# Altium PCB orbital-r1.PcbDoc (part 1 of 3) (continued)
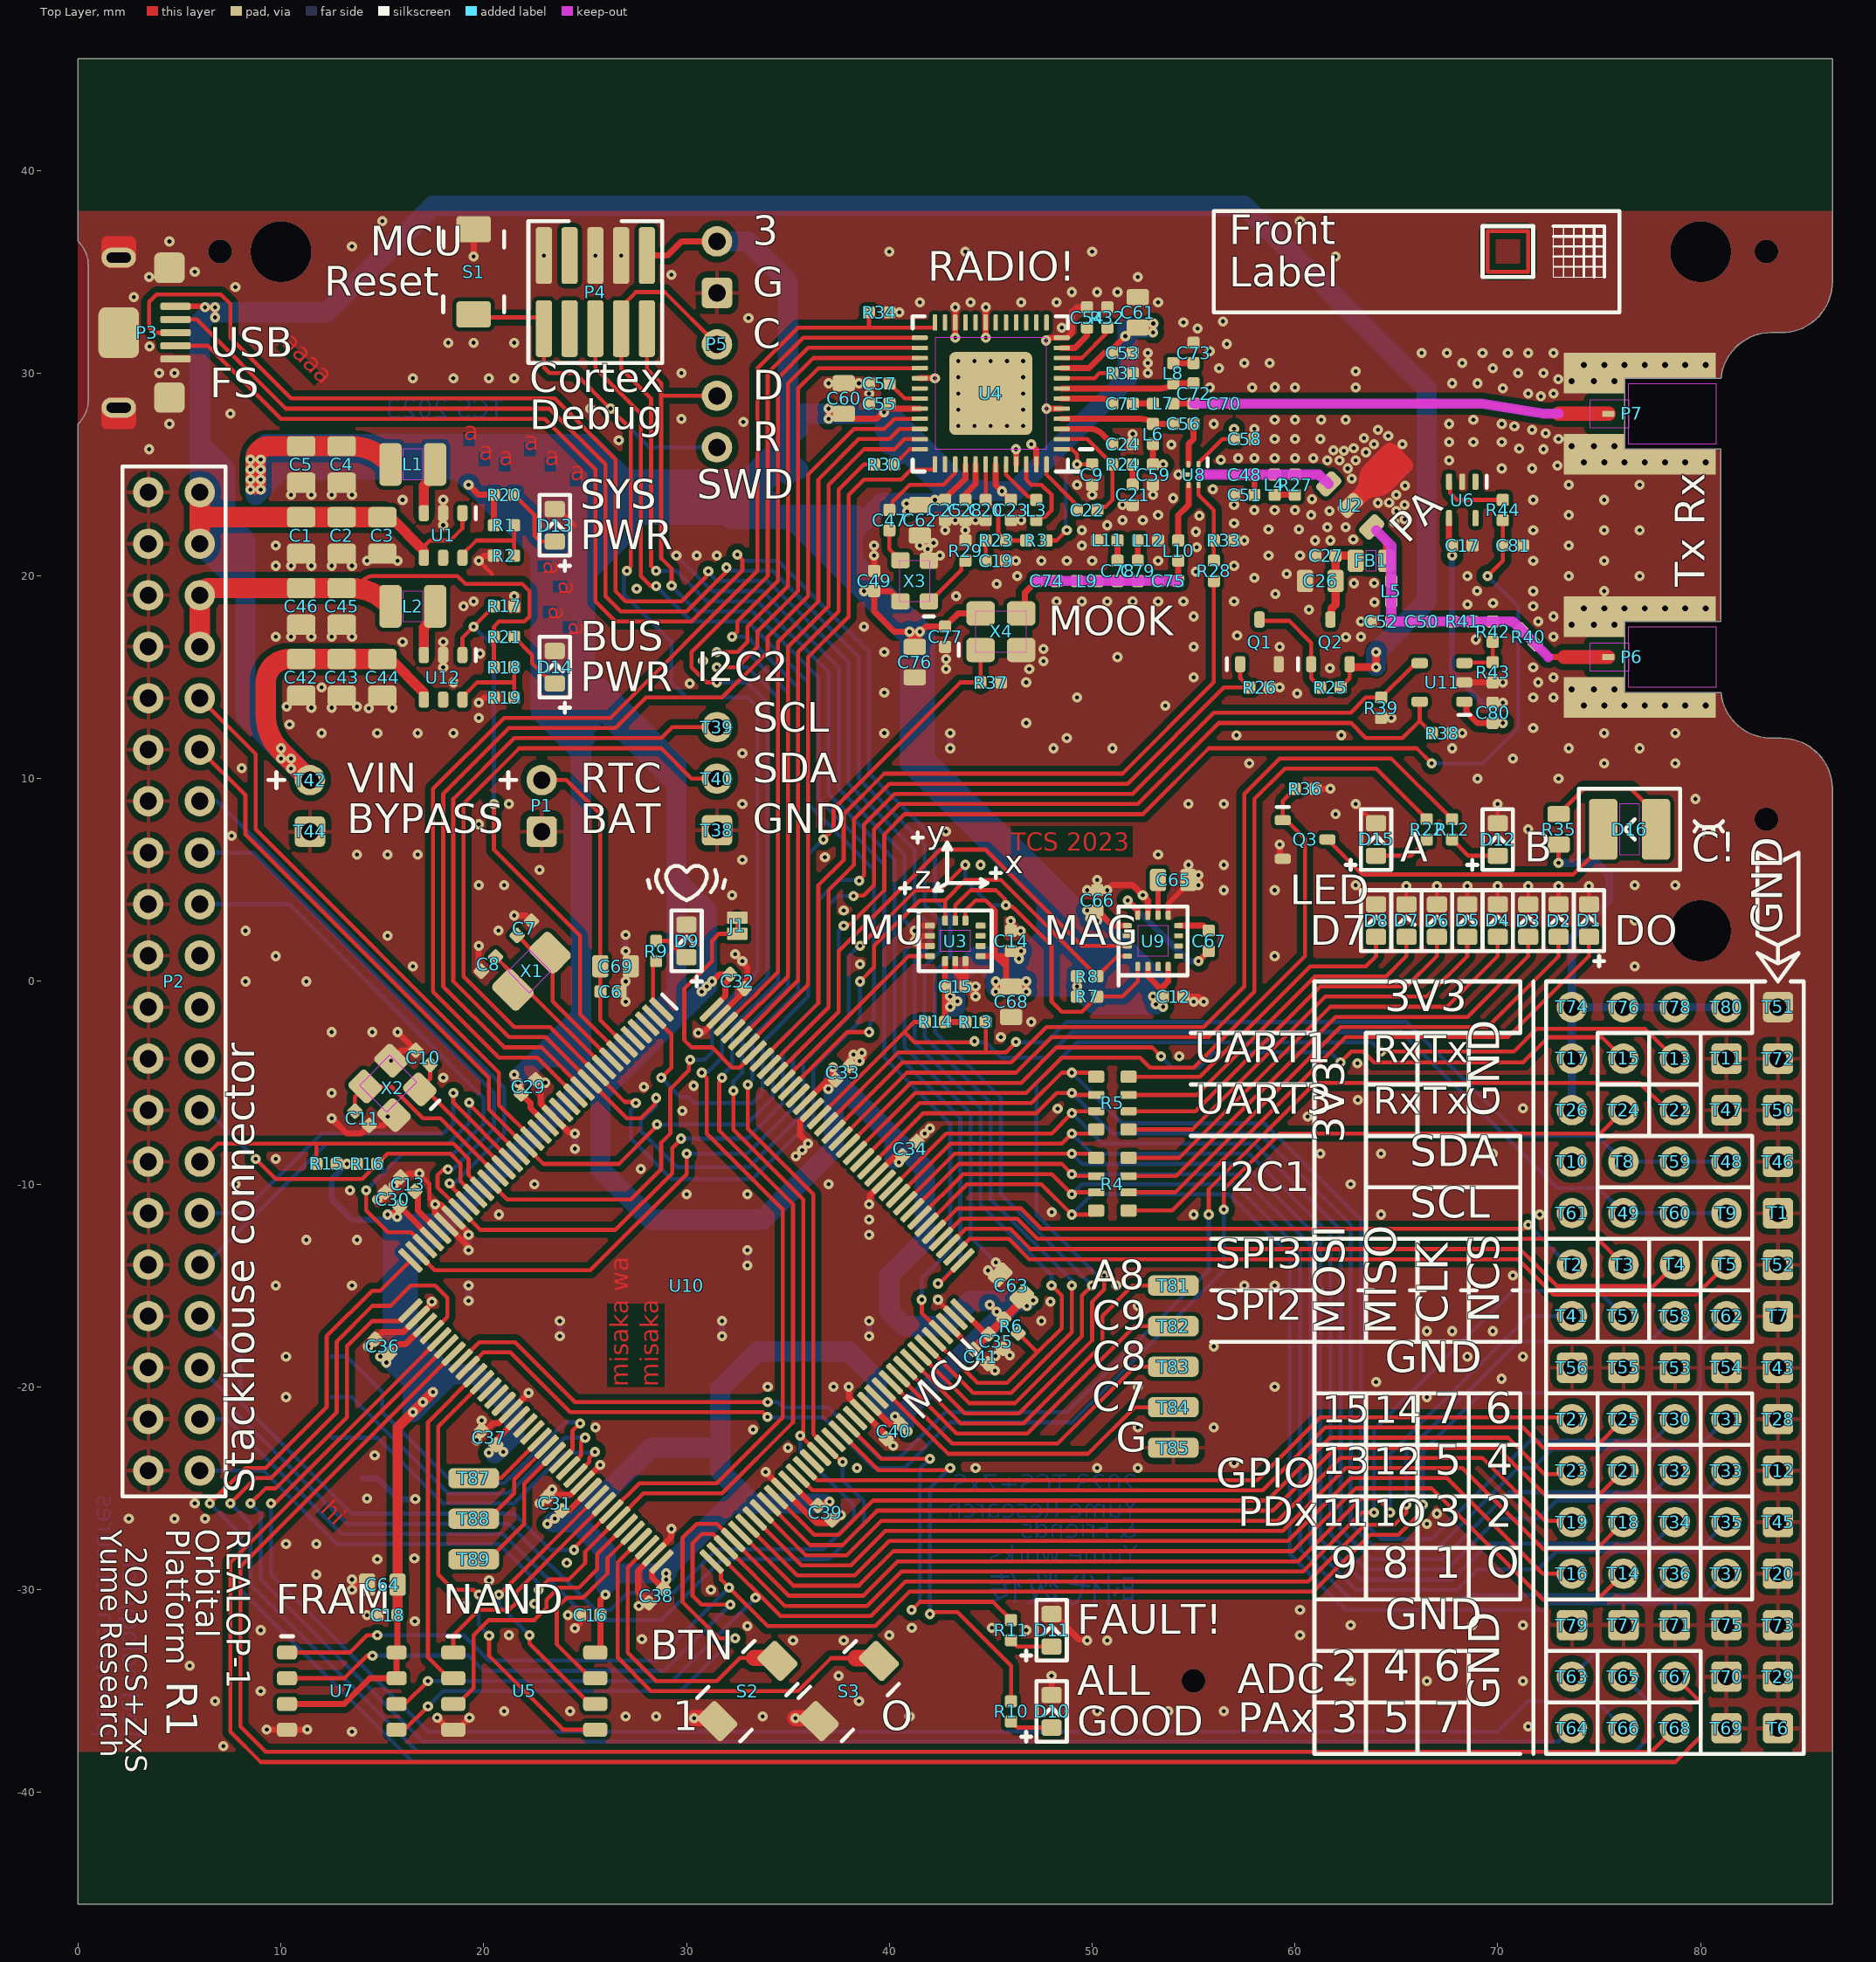
[diagram p0: Top Layer view]
## Design rules (kind name [scope] priority, off if disabled: settings)
Clearance [All] p1: gap=0.2 ignorepadtopadclearanceinfootprint=TRUE except(0: Fill-Text Poly-Text Region-Text; 0.3: Arc-Fill Arc-Poly Arc-Region Track-Fill Track-Poly Track-Region THPad-Fill THPad-Poly THPad-Region Via-Fill Via-Poly Via-Region Fill-Fill Fill-Poly Fill-Region Poly-Poly Poly-Region Region-Region)
DiffPairsRouting [All] p1: maxlimit=500 minlimit=0.1 mostfreqgap=0.15 toplayer_minwidth=0.1 toplayer_maxwidth=500 toplayer_prefwidth=0.15 midlayer1_minwidth=0.1 midlayer1_maxwidth=500 midlayer1_prefwidth=0.15 midlayer2_minwidth=0.1 midlayer2_maxwidth=500 midlayer2_prefwidth=0.15 bottomlayer_minwidth=0.1 bottomlayer_maxwidth=500 bottomlayer_prefwidth=0.15 maxuncoupledlength=500
HoleSize [All] p1: absolutevalues=TRUE maxlimit=500 minlimit=0.2 maxpercent=80.000 minpercent=20.000
HoleToHoleClearance [All] p1: gap=0.5 allowstackedmicrovias=TRUE
MinimumSolderMaskSliver [All] p1 off: minsoldermaskwidth=0.1
NetAntennae [All] p1 off: netantennaetolerance=0
PlaneClearance [All] p1: clearance=0.3
PlaneConnect [All] p1: planeconnectstyle=Relief reliefexpansion=0.3 reliefentries=4 reliefconductorwidth=0.2 reliefairgap=0.2
PolygonConnect [All] p1: connectstyle=Direct reliefconductorwidth=0.254 reliefentries=4 polygonreliefangle="90 Angle" airgapwidth=0.254
RoutingCorners [All] p1: cornerstyle=45-Degree minsetback=2.5 maxsetback=2.5
RoutingVias [All] p1: holewidth=0.3 width=0.7 viastyle="Through Hole" minholewidth=0.2 minwidth=0.5 maxholewidth=500 maxwidth=500
SilkToSilkClearance [All] p1 off: silktosilkclearance=0.2
SilkToSolderMaskClearance [IsPad] p1: minsilkscreentomaskgap=0.1 clearancetoexposedcopper=TRUE
SolderMaskExpansion [All] p1: expansion=0.1 istentingtop=FALSE
Width [All] p1: maxlimit=500 minlimit=0.1 preferedwidth=0.15
20 further rules are at their usual default settings.

## Components (designator, comment, footprint, x,y, rotation, side; value= is the part's Value field where it differs from the comment)
C1 "22u" C0805 11,22 r90 top
C2 "22u" C0805 13,22 r90 top
C3 "22u" C0805 15,22 r90 top
C4 "22u" C0805 13,25.5 r90 top
C5 "22u" C0805 11,25.5 r90 top
C6 "1u" C0402#1 26.25,-0.5 r180 top
C7 "12.5p" C0402#1 22,2.621 r225 top
C8 "12.5p" C0402#1 20.232,0.854 r45 top
C9 "2.2n" C0402#2 50,25 r270 top
C10 "9p" C0402#1 17,-3.75 r315 top
C11 "9p" C0402#1 14,-6.75 r135 top
C12 "1u" C0402#1 54,-0.75 r180 top
C13 "1u" C0402#2 16.25,-10 r135 top
C14 "1u" C0402#1 46,2 r270 top
C15 "1u" C0402#1 43.25,-0.25 r180 top
C16 "1u" C0402#2 25.25,-31.25 r180 top
C17 "1u" C0402#1 68.25,21.5 r180 top
C18 "1u" C0402#2 15.25,-31.25 r180 top
C19 "100n" C0402#2 45.25,20.75 r0 top
C20 "6.8n" C0402#2 44.75,23.25 r270 top
C21 "100n" C0402#2 52,24 r270 top
C22 "22n" C0402#3 49.75,23.25 r0 top
C23 "1u" C0402#1 46,23.25 r90 top
C24 "1u" C0402#2 51.5,26.5 r0 top
C25 "1u" C0402#1 42.75,23.25 r90 top
C26 "10u" C0603#1 61.25,19.75 r0 top
C27 "1u" C0402#1 61.5,21 r0 top
C28 "100n" C0402#1 43.75,23.25 r90 top
C29 "1u" C0402#1 22.2,-5.2 r225 top
C30 "1u" C0402#1 15.5,-10.75 r315 top
C31 "1u" C0402#1 23.5,-25.75 r315 top
C32 "1u" C0402#1 32.5,0 r135 top
C33 "1u" C0402#1 37.7,-4.5 r225 top
C34 "1u" C0402#1 41,-8.25 r225 top
C35 "1u" C0402#1 45.25,-17.75 r135 top
C36 "1u" C0402#1 15,-18 r315 top
C37 "1u" C0402#1 20.25,-22.5 r315 top
C38 "1u" C0402#1 28.5,-30.3 r45 top
C39 "1u" C0402#1 36.824,-26.205 r135 top
C40 "1u" C0402#1 40.2,-22.2 r45 top
C41 "1u" C0402#1 44.5,-18.5 r135 top
C42 "22u" C0805 11,15 r90 top
C43 "22u" C0805 13,15 r90 top
C44 "22u" C0805 15,15 r90 top
C45 "22u" C0805 13,18.5 r90 top
C46 "22u" C0805 11,18.5 r90 top
C47 "22p" C0402#3 40,22.75 r270 top
C48 "1n" C0402#3 57.5,25 r0 top
C49 "1u" C0402#1 39.25,19.75 r270 top
C50 "1n" C0402#3 66.25,17.75 r0 top
C51 "22p" C0402#2 57.5,24 r180 top
C52 "10p" C0402#2 64.25,17.75 r180 top
C53 "1u" C0402#1 51.5,31 r180 top
C54 "100n" C0402#1 49.75,32.75 r270 top
C55 "1u" C0402#1 39.5,28.5 r0 top
C56 "3.3p" C0402#3 54.5,27.5 r0 top
C57 "100n" C0402#1 39.5,29.5 r0 top
C58 "1u" C0402#1 57.5,26.75 r180 top
C59 "1n" C0402#2 53,25 r270 top
C60 "10u" C0603#1 37.75,28.75 r270 top
C61 "10u" C0603#1 52.25,33 r270 top
C62 "10u" C0603#1 41.5,22.75 r90 top
C63 "10u" C0603#1 46,-15 r315 top
C64 "10u" C0603#1 15,-29.75 r0 top
C65 "10u" C0603#2 54,5 r0 top
C66 "1u" C0402#1 50.25,4 r270 top
C67 "220n" C0402#3 55.75,2 r90 top
C68 "10u" C0603#1 46,-1 r90 top
C69 "10u" C0603#1 26.5,0.75 r180 top
C70 "1n" C0402#3 56.5,28.5 r180 top
C71 "3.3p" C0402#3 51.5,28.5 r180 top
C72 "3.3p" C0402#3 55,29 r90 top
C73 "1n" C0402#1 55,31 r270 top
C74 "2.7p" C0402#3 47.75,19.75 r180 top
C75 "2.7p" C0402#3 53.75,19.75 r180 top
C76 "10u" C0603#1 41.25,15.75 r90 top
C77 "1u" C0402#1 42.75,17 r90 top
C78 "15p" C0402#3 51.25,20.25 r90 top
C79 "100p" C0402#3 52.25,20.25 r90 top
C80 "1u" C0402#1 69.75,13.25 r270 top
C81 "100p" C0402#2 70.75,21.5 r0 top
D1 "LED White" LED0603v2 74.5,3 r270 top
D2 "LED White" LED0603v2 73,3 r270 top
D3 "LED White" LED0603v2 71.5,3 r270 top
D4 "LED White" LED0603v2 70,3 r270 top
D5 "LED White" LED0603v2 68.5,3 r270 top
D6 "LED White" LED0603v2 67,3 r270 top
D7 "LED White" LED0603v2 65.5,3 r270 top
D8 "LED White" LED0603v2 64,3 r270 top
D9 "LED Yellow" LED0603v2 30,2 r270 top
D10 "LED Green" LED0603v2 48,-36 r270 top
D11 "LED Red" LED0603v2 48,-32 r270 top
D12 "LED Blue" LED0603v2 70,7 r270 top
D13 "LED Yellow" LED0603v2 23.5,22.5 r270 top
D14 "LED Yellow" LED0603v2 23.5,15.5 r270 top
D15 "LED Blue" LED0603v2 64,7 r270 top
D16 "D VLMx333" PLCC2 76.5,7.5 r0 top
FB1 "FB0603" C0603#3 63.75,20.75 r180 top
J1 "J-16M" J16M 32.5,2.75 r90 top net-tie
L1 "2.2u" C1008 16.5,25.5 r0 top
L2 "2.2u" C1008 16.5,18.5 r0 top
L3 "18n" C0402#3 47.25,23.25 r270 top
L4 "6.8nH" C0402#3 59,24.5 r90 top
L5 "10n" C0402#3 64.75,19.25 r90 top
L6 "56n" C0402#3 53,27 r270 top
L7 "39n" C0402#3 53.5,28.5 r0 top
L8 "39n" C0402#3 54,30 r270 top
L9 "56n" C0402#3 49.75,19.75 r0 top
L10 "56n" C0402#3 54.25,21.25 r90 top
L11 "1.8n" C0402#1 50.75,21.75 r0 top
L12 "10n" C0402#1 52.75,21.75 r180 top
P1 "H254-021-85" H254-021-85 22.86,8.66 r270 top
P2 "H254-202-85" H254-202-85 4.73,0 r270 top
P3 "P Micro USB B" USB-Micro-B 2,32 r180 top
P4 "H127-052-S" H127-052-S 25.5,34 r270 top
P5 "H254-051-85" H254-051-85 31.5,31.42 r270 top
P6 "P MMCX-EM" MMCX-EM 76.25,16 r180 top
P7 "P MMCX-EM" MMCX-EM 76.25,28 r180 top
Q1 "Q NCE3400" SOT23-3#1 58.25,16.75 r90 top
Q2 "Q Si2301" SOT23-3#2 61.75,16.75 r90 top
Q3 "Q NCE3400" SOT23-3#1 60.5,7 r0 top
R1 "100k" C0402#3 21,22.5 r180 top
R2 "22k" C0402#2 21,21 r180 top
R3 "1k" C0402#3 47.25,21.75 r180 top
R4 "10k" R0603x4 51,-10 r90 top
R5 "10k" R0603x4 51,-6 r90 top
R6 "1.5k" C0402#3 46,-17 r315 top
R7 "4.7k" C0402#3 49.75,-0.75 r0 top
R8 "4.7k" C0402#3 49.75,0.25 r0 top
R9 "10k" C0402#3 28.5,1.5 r90 top
R10 "10k" C0402#3 46,-36 r270 top
R11 "10k" C0402#3 46,-32 r270 top
R12 "10k" C0402#3 67.75,7.5 r270 top
R13 "4.7k" C0402#3 44.25,-2 r0 top
R14 "4.7k" C0402#3 42.25,-2 r180 top
R15 "4.7k" C0402#3 12.25,-9 r180 top
R16 "4.7k" C0402#3 14.25,-9 r0 top
R17 "10k" C0402#2 21,18.5 r0 top
R18 "100k" C0402#3 21,15.5 r180 top
R19 "22k" C0402#2 21,14 r180 top
R20 "10k" C0402#3 21,24 r0 top
R21 "10k" C0402#3 21,17 r0 top
R22 "10k" C0402#3 66.5,7.5 r270 top
R23 "390" C0402#3 45.25,21.75 r0 top
R24 "10" C0402#3 51.5,25.5 r180 top
R25 "10k" C0402#3 61.75,14.5 r180 top
R26 "4.7k" C0402#2 58.25,14.5 r0 top
R27 "2.7" C0402#3 60,24.5 r270 top
R28 "4.7k" C0402#3 56,20.25 r90 top
R29 "1k" C0402#2 43.75,21.25 r90 top
R30 "1k" C0402#3 39.75,25.5 r180 top
R31 "1k" C0402#2 51.5,30 r0 top
R32 "3.3k" C0402#2 50.75,32.75 r90 top
R33 "4.7k" C0402#2 56.5,21.75 r0 top
R34 "4.7k" C0402#2 39.5,33 r0 top
R35 "100" C0603#3 73,7.5 r270 top
R36 "10k" C0402#2 60.5,9.5 r0 top
R37 "10k" C0402#2 45,14.75 r0 top
R38 "10k" C0402#2 67.25,12.25 r0 top
R39 "10k" C0402#2 64.25,13.5 r270 top
R40 "0" C0402#3 71.5,17 r315 top
R41 "0" C0402#3 68.25,17.75 r0 top
R42 "220" C0402#3 69.75,17.25 r270 top
R43 "68" C0402#2 69.75,15.25 r270 top
R44 "1k" C0402#3 70.25,23.25 r270 top
S1 "S BTN1185" BTN1185 19.5,35 r270 top
S2 "S BTN1185" BTN1185 33,-35 r45 top
S3 "S BTN1185" BTN1185 38,-35 r45 top
T1 "TP254-2" H254-011-85#1 83.82,-11.43 r270 top
T2 "TP254-2" H254-011-85#2 73.66,-13.97 r0 top
T3 "TP254-2" H254-011-85#2 76.2,-13.97 r0 top
T4 "TP254-2" H254-011-85#2 78.74,-13.97 r0 top
T5 "TP254-2" H254-011-85#2 81.28,-13.97 r0 top
T6 "TP254-2" H254-011-85#3 83.82,-36.83 r0 top
T7 "TP254-2" H254-011-85#1 83.82,-16.51 r180 top
T8 "TP254-2" H254-011-85#2 76.2,-8.89 r180 top
T9 "TP254-2" H254-011-85#2 81.28,-11.43 r180 top
T10 "TP254-2" H254-011-85#2 73.66,-8.89 r180 top
T11 "TP254-2" H254-011-85#1 81.28,-3.81 r180 top
T12 "TP254-2" H254-011-85#1 83.82,-24.13 r90 top
T13 "TP254-2" H254-011-85#2 78.74,-3.81 r180 top
T14 "TP254-2" H254-011-85#2 76.2,-29.21 r90 top
T15 "TP254-2" H254-011-85#2 76.2,-3.81 r180 top
T16 "TP254-2" H254-011-85#2 73.66,-29.21 r90 top
T17 "TP254-2" H254-011-85#2 73.66,-3.81 r180 top
T18 "TP254-2" H254-011-85#2 76.2,-26.67 r90 top
T19 "TP254-2" H254-011-85#2 73.66,-26.67 r90 top
T20 "TP254-2" H254-011-85#1 83.82,-29.21 r0 top
T21 "TP254-2" H254-011-85#2 76.2,-24.13 r90 top
T22 "TP254-2" H254-011-85#2 78.74,-6.35 r0 top
T23 "TP254-2" H254-011-85#2 73.66,-24.13 r90 top
T24 "TP254-2" H254-011-85#2 76.2,-6.35 r0 top
T25 "TP254-2" H254-011-85#2 76.2,-21.59 r90 top
T26 "TP254-2" H254-011-85#2 73.66,-6.35 r0 top
T27 "TP254-2" H254-011-85#2 73.66,-21.59 r90 top
T28 "TP254-2" H254-011-85#1 83.82,-21.59 r90 top
T29 "TP254-2" H254-011-85#3 83.82,-34.29 r270 top
T30 "TP254-2" H254-011-85#2 78.74,-21.59 r90 top
T31 "TP254-2" H254-011-85#2 81.28,-21.59 r90 top
T32 "TP254-2" H254-011-85#2 78.74,-24.13 r90 top
T33 "TP254-2" H254-011-85#2 81.28,-24.13 r90 top
T34 "TP254-2" H254-011-85#2 78.74,-26.67 r90 top
T35 "TP254-2" H254-011-85#2 81.28,-26.67 r90 top
T36 "TP254-2" H254-011-85#2 78.74,-29.21 r90 top
T37 "TP254-2" H254-011-85#2 81.28,-29.21 r90 top
T38 "TP254-2" H254-011-85#1 31.5,7.46 r90 top
T39 "TP254-2" H254-011-85#2 31.5,12.54 r90 top
T40 "TP254-2" H254-011-85#2 31.5,10 r90 top
T41 "TP254-2" H254-011-85#2 73.66,-16.51 r90 top
T42 "TP254-2" H254-011-85#2 11.43,9.93 r270 top
T43 "TP254-2" H254-011-85#1 83.82,-19.05 r90 top
T44 "TP254-2" H254-011-85#1 11.43,7.39 r180 top
T45 "TP254-2" H254-011-85#1 83.82,-26.67 r90 top
T46 "TP254-2" H254-011-85#3 83.82,-8.89 r90 top
T47 "TP254-2" H254-011-85#3 81.28,-6.35 r90 top
T48 "TP254-2" H254-011-85#2 81.28,-8.89 r90 top
T49 "TP254-2" H254-011-85#2 76.2,-11.43 r90 top
T50 "TP254-2" H254-011-85#3 83.82,-6.35 r90 top
T51 "TP254-2" H254-011-85#3 83.82,-1.27 r90 top
T52 "TP254-2" H254-011-85#3 83.82,-13.97 r90 top
T53 "TP254-2" H254-011-85#3 78.74,-19.05 r90 top
T54 "TP254-2" H254-011-85#3 81.28,-19.05 r90 top
T55 "TP254-2" H254-011-85#3 76.2,-19.05 r90 top
T56 "TP254-2" H254-011-85#3 73.66,-19.05 r90 top
T57 "TP254-2" H254-011-85#2 76.2,-16.51 r90 top
T58 "TP254-2" H254-011-85#2 78.74,-16.51 r90 top
T59 "TP254-2" H254-011-85#2 78.74,-8.89 r90 top
T60 "TP254-2" H254-011-85#2 78.74,-11.43 r90 top
T61 "TP254-2" H254-011-85#2 73.66,-11.43 r90 top
T62 "TP254-2" H254-011-85#2 81.28,-16.51 r90 top
T63 "TP254-2" H254-011-85#2 73.66,-34.29 r90 top
T64 "TP254-2" H254-011-85#2 73.66,-36.83 r90 top
T65 "TP254-2" H254-011-85#2 76.2,-34.29 r90 top
T66 "TP254-2" H254-011-85#2 76.2,-36.83 r90 top
T67 "TP254-2" H254-011-85#2 78.74,-34.29 r90 top
T68 "TP254-2" H254-011-85#2 78.74,-36.83 r90 top
T69 "TP254-2" H254-011-85#3 81.28,-36.83 r90 top
T70 "TP254-2" H254-011-85#3 81.28,-34.29 r90 top
T71 "TP254-2" H254-011-85#3 78.74,-31.75 r90 top
T72 "TP254-2" H254-011-85#3 83.82,-3.81 r90 top
T73 "TP254-2" H254-011-85#3 83.82,-31.75 r90 top
T74 "TP254-2" H254-011-85#2 73.66,-1.27 r90 top
T75 "TP254-2" H254-011-85#3 81.28,-31.75 r90 top
T76 "TP254-2" H254-011-85#2 76.2,-1.27 r90 top
T77 "TP254-2" H254-011-85#3 76.2,-31.75 r90 top
T78 "TP254-2" H254-011-85#2 78.74,-1.27 r90 top
T79 "TP254-2" H254-011-85#3 73.66,-31.75 r90 top
T80 "TP254-2" H254-011-85#2 81.28,-1.27 r90 top
T81 "TP2510" TP2510#1 54,-15 r180 top
T82 "TP2510" TP2510#1 54,-17 r180 top
T83 "TP2510" TP2510#1 54,-19 r180 top
T84 "TP2510" TP2510#1 54,-21 r180 top
T85 "TP2510" TP2510#2 54,-23 r180 top
T86 "TP2510" TP2510#2 14,-24.5 r180 bottom
T87 "TP2510" TP2510#1 19.5,-24.5 r180 top
T88 "TP2510" TP2510#1 19.5,-26.5 r180 top
T89 "TP2510" TP2510#1 19.5,-28.5 r180 top
T90 "TP2510" TP2510#1 12.5,-18.5 r180 bottom
T91 "TP2510" TP2510#1 12.5,-20.5 r180 bottom
T92 "TP2510" TP2510#1 12.5,-22.5 r180 bottom
U1 "IC AP3419" SOT23-6 18,22 r270 top
U2 "IC TQP7M9102" SOT89-3 64,24.75 r45 top
U3 "IC ISM330DHCX" LGA14-5 43.25,2 r0 top
U4 "IC ADF7021" QFN48-7-0.5-4.1 45,29 r180 top
U5 "IC W25Q128JVSIQ" SOIC8 22,-35 r0 top
U6 "IC TMP235" SOT363-5 68.25,23.75 r270 top
U7 "IC MB85RS256B" SOP8 13,-35 r0 top
U8 "IC SKY13453" QFN6 55,25 r270 top
U9 "IC QMC5883L" LGA16-5 53,2 r90 top
U10 "IC STM32L476ZGTx" QFP144-20-0.5 30,-15 r315 top
U11 "IC MAX2204" SOT23-5 67.25,14.75 r180 top
U12 "IC AP3419" SOT23-6 18,15 r270 top
X1 "32.768k" XO3215-2P 22.354,0.5 r225 top
X2 "24M" XO3225#1 15.5,-5.25 r135 top
X3 "26 MHz TCXO" XO2520M1 41.25,19.75 r90 top
X4 "450M" XO3225#2 45.5,17.25 r0 top

## Footprints (in the part's own frame and the unit in brackets; to place one, negate y for a bottom-side part, rotate by r counter-clockwise, add the part's x,y. Pads: shape width x height; smd on the part's side, far side on the other; paste and mask are expansions set on the pad)
BTN1185 [mm]
  rrect25% 1.3x1.7 smd mask+0: 1(-2.1,0)
  rrect25% 1.3x1.7 smd: 2(2.1,0)
  silkscreen extent -2,-1.5 2,1.5, body extent -2,-1.5 2,1.5, height 2.5
C0402#1 [mm] "1005(0402) Medium/perfect density, cap varient for general purpose"
  rrect35% 0.6x0.6 smd mask+0: 1(-0.5,0)
  rrect35% 0.6x0.6 smd mask+0.05: 2(0.5,0)
  body extent -0.5,-0.25 0.5,0.25, height 0.5
C0402#2 [mm] "1005(0402) Medium/perfect density, cap varient for general purpose"
  rrect35% 0.6x0.6 smd mask+0.05: 1(-0.5,0)
  rrect35% 0.6x0.6 smd mask+0: 2(0.5,0)
  body extent -0.5,-0.25 0.5,0.25, height 0.5
C0402#3 [mm] "1005(0402) Medium/perfect density, cap varient for general purpose"
  rrect35% 0.6x0.6 smd mask+0.05: 1(-0.5,0) 2(0.5,0)
  body extent -0.5,-0.25 0.5,0.25, height 0.5
C0603#1 [mm]
  rrect35% 0.8x1.1 smd mask+0: 1(-0.75,0)
  rrect35% 0.8x1.1 smd mask+0.05: 2(0.75,0)
  body extent -0.8,-0.5 0.8,0.5, height 1
C0603#2 [mm]
  rrect35% 0.8x1.1 smd mask+0.05: 1(-0.75,0)
  rrect35% 0.8x1.1 smd mask+0: 2(0.75,0)
  body extent -0.8,-0.5 0.8,0.5, height 1
C0603#3 [mm]
  rrect35% 0.8x1.1 smd mask+0.05: 1(-0.75,0) 2(0.75,0)
  body extent -0.8,-0.5 0.8,0.5, height 1
C0805 [mm]
  rrect35% 1x1.4 smd mask+0: 1(-0.9,0)
  rrect35% 1x1.4 smd mask+0.05: 2(0.9,0)
  body extent -1,-0.62 1,0.63, height 1.3
C1008 [mm] "imperial 1008 metric 2520"
  rrect35% 1.1x2.1 smd mask+0.05: 1(-1.1,0) 2(1.1,0)
  body extent -1.25,-1 1.25,1, height 1.2
H127-052-S [mm]
  rrect35% 2.8x0.8 smd: 1(-1.8,2.54) 4(-1.8,-1.27) 6(1.8,-2.54) 7(1.8,-1.27) 8(1.8,0) 9(1.8,1.27) 10(1.8,2.54)
  rrect35% 2.8x0.8 smd mask+0: 2(-1.8,1.27) 3(-1.8,0) 5(-1.8,-2.54)
  silkscreen extent -3.5,-3.3 3.5,3.3, body extent -2.8,-3.19 2.8,3.19, height 4.8
H254-011-85#1 [mm] "Header pins 2.54 pitch 01 by 1 array 0.85mm hole"
  rrect30% 1.5x1.5 hole 0.85 mask+0.05: 1(0,0)
H254-011-85#2 [mm] "Header pins 2.54 pitch 01 by 1 array 0.85mm hole"
  round 1.5 hole 0.85: 1(0,0)
H254-011-85#3 [mm] "Header pins 2.54 pitch 01 by 1 array 0.85mm hole"
  rrect30% 1.5x1.5 hole 0.85: 1(0,0)
H254-021-85 [mm] "Header pins 2.54 pitch 02 by 1 array 0.85mm hole"
  round 1.5 hole 0.85: 1(-1.27,0)
  rrect30% 1.5x1.5 hole 0.85 mask+0.05: 2(1.27,0)
H254-051-85 [mm] "Header pins 2.54 pitch 05 by 1 array 0.85mm hole"
  round 1.5 hole 0.85: 1(-5.08,0) 3(0,0) 4(2.54,0) 5(5.08,0)
  rrect30% 1.5x1.5 hole 0.85 mask+0.05: 2(-2.54,0)
H254-202-85 [mm] "Header pins 2.54 pitch 20 by 2 array 0.85mm hole"
  round 1.5 hole 0.85: 1(-24.13,1.27) 3(-21.59,1.27) 5(-19.05,1.27) 7(-16.51,1.27) 9(-13.97,1.27) 11(-11.43,1.27) 13(-8.89,1.27) 15(-6.35,1.27) 17(-3.81,1.27) 19(-1.27,1.27) 21(1.27,1.27) 23(3.81,1.27) 25(6.35,1.27) 27(8.89,1.27) 29(11.43,1.27) 31(13.97,1.27) 33(16.51,1.27) 35(19.05,1.27) 37(21.59,1.27) 39(24.13,1.27)
  round 1.5 hole 0.85 mask+0.05: 2(-24.13,-1.27) 4(-21.59,-1.27) 6(-19.05,-1.27) 8(-16.51,-1.27) 10(-13.97,-1.27) 12(-11.43,-1.27) 14(-8.89,-1.27) 16(-6.35,-1.27) 18(-3.81,-1.27) 20(-1.27,-1.27) 22(1.27,-1.27) 24(3.81,-1.27) 26(6.35,-1.27) 28(8.89,-1.27) 30(11.43,-1.27) 32(13.97,-1.27) 34(16.51,-1.27) 36(19.05,-1.27) 38(21.59,-1.27) 40(24.13,-1.27)
J16M [mm]
  rrect10% 0.6x1 smd paste-2 mask+0.05: 1(-0.4,0)
  rrect10% 0.6x1 smd paste-2 mask+0: 2(0.4,0)
  Top Layer lines w0.2: -0.4,0 0.4,0
LED0603v2 [mm]
  rrect35% 0.8x1 smd mask+0: 1(-0.8,0)
  rrect35% 0.8x1 smd mask+0.05: 2(0.8,0)
  silkscreen extent -1.5,-0.75 1.5,0.75, body extent -0.8,-0.5 0.8,0.5, height 0.6
LGA14-5 [mm] "LGA14 5mm pitch for ISM330DHCX"
  rrect50% 0.5x0.3 smd mask+0: 1(-1.25,0.75) 2(-1.25,0.25) 3(-1.25,-0.25)
  rrect50% 0.5x0.3 smd mask+0.05: 4(-1.25,-0.75) 8(1.25,-0.75) 9(1.25,-0.25) 10(1.25,0.25) 11(1.25,0.75)
  rrect50% 0.3x0.5 smd mask+0.05: 5(-0.5,-1) 12(0.5,1) 13(0,1) 14(-0.5,1)
  rrect50% 0.3x0.5 smd mask+0: 6(0,-1) 7(0.5,-1)
  silkscreen extent -2.3,-1.5 1.8,1.5, body extent -1.5,-1.25 1.5,1.25, height 0.9
LGA16-5 [mm]
  rrect50% 0.45x0.25 smd mask+0.05: 1(-1.263,0.75) 2(-1.263,0.25) 3(-1.263,-0.25) 4(-1.263,-0.75) 10(1.263,-0.25) 12(1.263,0.75)
  rrect50% 0.25x0.45 smd mask+0.05: 5(-0.75,-1.263) 6(-0.25,-1.263) 7(0.25,-1.263) 8(0.75,-1.263) 13(0.75,1.263) 14(0.25,1.263) 15(-0.25,1.263) 16(-0.75,1.263)
  rrect50% 0.45x0.25 smd mask+0: 9(1.263,-0.75) 11(1.263,0.25)
  silkscreen extent -2.2,-1.7 1.7,1.7, body extent -1.5,-1.5 1.5,1.5, height 0.9
MMCX-EM [mm]
  rect 4.6x1.25 smd mask+0: 0(-2.2,2.375) 0(-2.2,-2.375)
  rect 7.5x6 smd far side mask+0: 0(-0.75,0)
  rect 3x2 smd mask+0: 0(1.5,2) 0(1.5,-2)
  rrect35% 0.6x0.3 smd: 1(0.8,0)
  Top Layer keep-out region: -0.2,0.7 1.7,0.7 1.7,-0.7 -0.2,-0.7
  Top Layer keep-out region: -4.5,1.5 -0.2,1.5 -0.2,-1.5 -4.5,-1.5
PLCC2 [mm]
  rrect25% 1.4x3 smd: 1(-1.3,0) 2(1.3,0)
  body extent -1.5,-1.4 1.5,1.4, height 1.75
QFN6 [mm]
  rrect50% 0.33x0.2 smd mask+0.05: 1(-0.5,0.25) 2(-0.5,-0.25) 4(0.5,-0.25) 5(0.5,0.25)
  rrect50% 0.2x0.5 smd mask+0: 3(0,-0.4)
  rrect50% 0.2x0.5 smd mask+0.05: 6(0,0.4)
  silkscreen extent -0.8,0.7 -0.4,0.7, body extent -0.5,-0.5 0.5,0.5, height 0.45
QFN48-7-0.5-4.1 [mm]
  rrect15% 4.1x4.1 smd paste-0.6 mask+0.05: 0(0,0)
  rrect50% 0.8x0.22 smd: 1(-3.5,2.75) 2(-3.5,2.25) 3(-3.5,1.75) 4(-3.5,1.25) 5(-3.5,0.75) 6(-3.5,0.25) 7(-3.5,-0.25) 8(-3.5,-0.75) 9(-3.5,-1.25) 10(-3.5,-1.75) 11(-3.5,-2.25) 12(-3.5,-2.75) 25(3.5,-2.75) 26(3.5,-2.25) 27(3.5,-1.75) 28(3.5,-1.25) 29(3.5,-0.75) 30(3.5,-0.25) 31(3.5,0.25) 32(3.5,0.75) 33(3.5,1.25) 34(3.5,1.75) 35(3.5,2.25) 36(3.5,2.75)
  rrect50% 0.22x0.8 smd: 13(-2.75,-3.5) 14(-2.25,-3.5) 15(-1.75,-3.5) 16(-1.25,-3.5) 17(-0.75,-3.5) 18(-0.25,-3.5) 19(0.25,-3.5) 20(0.75,-3.5) 21(1.25,-3.5) 22(1.75,-3.5) 23(2.25,-3.5) 24(2.75,-3.5) 37(2.75,3.5) 38(2.25,3.5) 39(1.75,3.5) 40(1.25,3.5) 41(0.75,3.5) 42(0.25,3.5) 43(-0.25,3.5) 44(-0.75,3.5) 45(-1.25,3.5) 46(-1.75,3.5) 47(-2.25,3.5) 48(-2.75,3.5)
  Top Layer keep-out region: -2.75,-2.75 2.75,-2.75 2.75,2.75 -2.75,2.75
  silkscreen extent -5,-3.8 3.85,3.85, body extent -3.5,-3.5 3.5,3.5, height 0.85
QFP144-20-0.5 [mm]
  rrect50% 1.5x0.3 smd: 1(-10.5,8.75) 2(-10.5,8.25) 3(-10.5,7.75) 4(-10.5,7.25) 5(-10.5,6.75) 6(-10.5,6.25) 7(-10.5,5.75) 8(-10.5,5.25) 9(-10.5,4.75) 10(-10.5,4.25) 11(-10.5,3.75) 12(-10.5,3.25) 13(-10.5,2.75) 14(-10.5,2.25) 15(-10.5,1.75) 17(-10.5,0.75) 18(-10.5,0.25) 19(-10.5,-0.25) 20(-10.5,-0.75) 21(-10.5,-1.25) 22(-10.5,-1.75) 23(-10.5,-2.25) 24(-10.5,-2.75) 25(-10.5,-3.25) 26(-10.5,-3.75) 27(-10.5,-4.25) 28(-10.5,-4.75) 29(-10.5,-5.25) 32(-10.5,-6.75) 33(-10.5,-7.25) 34(-10.5,-7.75) 35(-10.5,-8.25) 36(-10.5,-8.75) 73(10.5,-8.75) 74(10.5,-8.25) 75(10.5,-7.75) 76(10.5,-7.25) 77(10.5,-6.75) 78(10.5,-6.25) 79(10.5,-5.75) 80(10.5,-5.25) 81(10.5,-4.75) 82(10.5,-4.25) 84(10.5,-3.25) 85(10.5,-2.75) 86(10.5,-2.25) 87(10.5,-1.75) 88(10.5,-1.25) 89(10.5,-0.75) 90(10.5,-0.25) 91(10.5,0.25) 92(10.5,0.75) 93(10.5,1.25) 95(10.5,2.25) 96(10.5,2.75) 97(10.5,3.25) 98(10.5,3.75) 99(10.5,4.25) 100(10.5,4.75) 101(10.5,5.25) 102(10.5,5.75) 103(10.5,6.25) 104(10.5,6.75) 105(10.5,7.25) 106(10.5,7.75) 108(10.5,8.75)
  rrect50% 1.5x0.3 smd mask+0: 16(-10.5,1.25) 30(-10.5,-5.75) 31(-10.5,-6.25) 83(10.5,-3.75) 94(10.5,1.75) 107(10.5,8.25)
  rrect50% 0.3x1.5 smd: 37(-8.75,-10.5) 39(-7.75,-10.5) 40(-7.25,-10.5) 41(-6.75,-10.5) 42(-6.25,-10.5) 43(-5.75,-10.5) 44(-5.25,-10.5) 45(-4.75,-10.5) 46(-4.25,-10.5) 47(-3.75,-10.5) 48(-3.25,-10.5) 49(-2.75,-10.5) 50(-2.25,-10.5) 52(-1.25,-10.5) 53(-0.75,-10.5) 54(-0.25,-10.5) 55(0.25,-10.5) 56(0.75,-10.5) 57(1.25,-10.5) 58(1.75,-10.5) 59(2.25,-10.5) 60(2.75,-10.5) 62(3.75,-10.5) 63(4.25,-10.5) 64(4.75,-10.5) 65(5.25,-10.5) 66(5.75,-10.5) 67(6.25,-10.5) 68(6.75,-10.5) 69(7.25,-10.5) 70(7.75,-10.5) 72(8.75,-10.5) 109(8.75,10.5) 110(8.25,10.5) 111(7.75,10.5) 112(7.25,10.5) 113(6.75,10.5) 114(6.25,10.5) 115(5.75,10.5) 116(5.25,10.5) 117(4.75,10.5) 118(4.25,10.5) 119(3.75,10.5) 121(2.75,10.5) 122(2.25,10.5) 123(1.75,10.5) 124(1.25,10.5) 125(0.75,10.5) 126(0.25,10.5) 127(-0.25,10.5) 128(-0.75,10.5) 129(-1.25,10.5) 131(-2.25,10.5) 132(-2.75,10.5) 133(-3.25,10.5) 134(-3.75,10.5) 135(-4.25,10.5) 136(-4.75,10.5) 137(-5.25,10.5) 138(-5.75,10.5) 139(-6.25,10.5) 140(-6.75,10.5) 141(-7.25,10.5) 142(-7.75,10.5) 144(-8.75,10.5)
  rrect50% 0.3x1.5 smd mask+0: 38(-8.25,-10.5) 51(-1.75,-10.5) 61(3.25,-10.5) 71(8.25,-10.5) 120(3.25,10.5) 130(-1.75,10.5) 143(-8.25,10.5)
  silkscreen extent -11,9.3 -10,9.3, body extent -10,-10 10,10, height 1.6
R0603x4 [mm]
  rrect35% 0.6x0.8 smd mask+0.05: 1(-1.3,-0.8) 4(1.3,-0.8) 5(1.3,0.8) 8(-1.3,0.8)
  rrect35% 0.4x0.8 smd mask+0.05: 2(-0.4,-0.8) 3(0.4,-0.8) 6(0.4,0.8) 7(-0.4,0.8)
  body extent -1.6,-0.8 1.6,0.8, height 0.5
SOIC8 [mm] "wider version of SOP8 20221211 TCS"
  rrect50% 1.2x0.7 smd: 1(-3.5,1.905) 2(-3.5,0.635) 3(-3.5,-0.635) 4(-3.5,-1.905) 5(3.5,-1.905) 6(3.5,-0.635) 7(3.5,0.635) 8(3.5,1.905)
  silkscreen extent -3.8,2.7 -3.2,2.7, body extent -2.65,-2.6 2.65,2.6, height 2
SOP8 [mm] "Model based on FM25W35 measured on 20211106 TCS"
  rrect50% 1x0.7 smd: 1(-2.7,1.905) 2(-2.7,0.635) 3(-2.7,-0.635) 4(-2.7,-1.905) 5(2.7,-1.905) 6(2.7,-0.635) 7(2.7,0.635) 8(2.7,1.905)
  silkscreen extent -3,2.7 -2.4,2.7, body extent -1.9,-2.5 1.9,2.5, height 1.4
SOT23-3#1 [mm]
  rrect50% 0.8x0.5 smd mask+0.05: 1(-1.1,0.95) 3(1.1,0)
  rrect50% 0.8x0.5 smd mask+0: 2(-1.1,-0.95)
  silkscreen extent -1.4,1.6 -0.8,1.6, body extent -0.8,-1.45 0.8,1.45, height 1
SOT23-3#2 [mm]
  rrect50% 0.8x0.5 smd mask+0.05: 1(-1.1,0.95) 2(-1.1,-0.95) 3(1.1,0)
  silkscreen extent -1.4,1.6 -0.8,1.6, body extent -0.8,-1.45 0.8,1.45, height 1
SOT23-5 [mm]
  rrect50% 0.8x0.5 smd mask+0.05: 1(-1.1,0.95) 3(-1.1,-0.95) 4(1.1,-0.95) 5(1.1,0.95)
  rrect50% 0.8x0.5 smd mask+0: 2(-1.1,0)
  silkscreen extent -1.4,1.6 -0.8,1.6, body extent -0.8,-1.45 0.8,1.45, height 1
SOT23-6 [mm]
  rrect50% 0.8x0.5 smd mask+0.05: 1(-1.1,0.95) 3(-1.1,-0.95) 4(1.1,-0.95) 5(1.1,0) 6(1.1,0.95)
  rrect50% 0.8x0.5 smd mask+0: 2(-1.1,0)
  silkscreen extent -1.4,1.6 -0.8,1.6, body extent -0.8,-1.45 0.8,1.45, height 1
SOT89-3 [mm]
  rrect50% 1.2x0.8 smd mask+0.05: 1(-1.8,1.5) 3(-1.8,-1.5)
  rrect50% 1.2x0.8 smd mask+0: 2(-1.8,0)
  Top Layer region: -1.5,0.4 -1.083,0.4 -0.822,0.452 -0.6,0.6 -0.6,0.6 -0.268,0.822 0.124,0.9 0.124,0.9 1.5,0.9 1.653,0.87 1.783,0.783 1.87,0.653 1.9,0.5 1.9,0.5 1.9,-0.5 1.87,-0.653 1.783,-0.783 1.653,-0.87 1.5,-0.9 1.5,-0.9 0.124,-0.9 -0.268,-0.822 -0.6,-0.6 -0.6,-0.6 -0.822,-0.452 -1.083,-0.4 -1.083,-0.4 -1.5,-0.4
  body extent -1.2,-2.25 1.2,2.25, height 1.5
SOT363-5 [mm]
  rrect50% 0.8x0.3 smd: 1(-0.9,0.65) 2(-0.9,0) 3(-0.9,-0.65) 4(0.9,-0.65) 5(0.9,0.65)
  silkscreen extent -1.2,1.2 -0.6,1.2, body extent -0.63,-1 0.63,1, height 1
TP2510#1 [mm] "Breakout pad"
  rrect50% 2.5x1 smd paste-2 mask+0.05: 1(0,0)
TP2510#2 [mm] "Breakout pad"
  rrect50% 2.5x1 smd paste-2 mask+0: 1(0,0)
USB-Micro-B [mm]
  rrect35% 1.5x1.5 smd mask+0: 0(-2.5,3.2) 0(-2.5,-3.2)
  oval 1.7x1 hole 0.5 slot 1.2 at 0 deg mask+0: 0(0,3.7) 0(0,-3.7)
  rrect35% 2x2.5 smd mask+0: 0(0,0)
  rrect50% 1.5x0.35 smd: 1(-2.8,-1.301) 2(-2.8,-0.65) 3(-2.8,0) 4(-2.8,0.65)
  rrect50% 1.5x0.35 smd mask+0: 5(-2.8,1.3)
  Top Layer region: -0.85,3.7 -0.812,3.509 -0.704,3.346 -0.541,3.238 -0.35,3.2 -0.35,3.2 0.35,3.2 0.541,3.238 0.703,3.346 0.812,3.509 0.85,3.7 0.85,3.7 0.85,4.47 0.829,4.577 0.768,4.668 0.677,4.729 0.57,4.75 0.57,4.75 -0.57,4.75 -0.677,4.729 -0.768,4.668 -0.829,4.577 -0.85,4.47 -0.85,4.47
  Top Layer region: -0.85,-3.7 -0.812,-3.509 -0.704,-3.346 -0.541,-3.238 -0.35,-3.2 -0.35,-3.2 0.35,-3.2 0.541,-3.238 0.703,-3.346 0.812,-3.509 0.85,-3.7 0.85,-3.7 0.85,-4.47 0.829,-4.577 0.768,-4.668 0.677,-4.729 0.57,-4.75 0.57,-4.75 -0.57,-4.75 -0.677,-4.729 -0.768,-4.668 -0.829,-4.577 -0.85,-4.47 -0.85,-4.47
  body extent -2.85,-3.55 2.25,3.55, height 3
XO2520M1 [mm] "modified for seiko X1G003851001500"
  rrect35% 0.8x0.9 smd mask+0.05: 1(-1,-0.7) 4(-1,0.7)
  rrect35% 0.8x0.9 smd: 2(1,-0.7) 3(1.025,0.7)
  silkscreen extent -1.75,-0.95 -1.75,-0.45, body extent -1.25,-1 1.25,1, height 0.8
XO3215-2P [mm]
  rrect35% 1.4x1.8 smd: 1(-1.3,0) 2(1.3,0)
  body extent -1.6,-0.75 1.6,0.75, height 1
XO3225#1 [mm]
  rrect35% 1.4x1.2 smd: 1(-1,-0.9) 3(1,0.9)
  rrect35% 1.4x1.2 smd mask+0: 2(1,-0.9) 4(-1,0.9)
  silkscreen extent -2.08,-1.2 -2.08,-0.6, body extent -1.5,-1.25 1.5,1.25, height 1
XO3225#2 [mm]
  rrect35% 1.4x1.2 smd: 1(-1,-0.9) 2(1,-0.9) 3(1,0.9) 4(-1,0.9)
  silkscreen extent -2.07,-1.2 -2.07,-0.6, body extent -1.5,-1.25 1.5,1.25, height 1

## Part data
C1 C2 C3 C4 C5 C42 C43 C44 C45 C46: library part C0805
C6 C7 C8 C9 C10 C11 C12 C13 C14 C15 C16 C17 C18 C19 C20 C21 C22 C23 C24 C25 C27 C28 C29 C30 C31 C32 C33 C34 C35 C36 C37 C38 C39 C40 C41 C47 C48 C49 C50 C51 C52 C53 C54 C55 C56 C57 C58 C59 C66 C67 C70 C71 C72 C73 C74 C75 C77 C78 C79 C80 C81: library part C0402
C26 C60 C61 C62 C63 C64 C65 C68 C69 C76: library part C0603
D1 D2 D3 D4 D5 D6 D7 D8 D9 D10 D11 D12 D13 D14 D15: library part "D 0603", "LED 0603"
D16: "Vishay power LED orange"
L1 L2: library part "L 1008", "1008 [2520 metric] SMD inductor"
L3 L4 L5 L6 L7 L8 L9 L10 L11 L12: library part "L 0402", "0402 [? metric] SMD inductor"
P2: "PC/104 style stack connector for REALOP1"
P6 P7: "RF MMCX connector"
Q1 Q3: "N-Ch En MOSFET"
Q2: "P-Ch En MOSFET"
R1 R2 R3 R6 R7 R8 R9 R10 R11 R12 R13 R14 R15 R16 R17 R18 R19 R20 R21 R22 R23 R24 R25 R26 R27 R28 R29 R30 R31 R32 R33 R34 R36 R37 R38 R39 R40 R41 R42 R43 R44: library part R0402
R4 R5: library part R0603X4, "Resistor array 0603 x4"
R35: library part R0603
U1 U12: "Step down converter with synchronous rectification, 5V input"
U2: "RF PA 0.5 W"
U3: "Fancy accelerometer and gyroscope"
U4: "Sub GHz transceiver"
U5: "nand flash 128 Mb (16 MB) winbond"
U6: "Analog output temperature sensor"
U7: "FRAM, serial, 256 Mbit"
U8: "Switch, RF, single control, 0.01 to 6 GHz"
U9: "Magnetometer"
U10: "Cortex-M4 MCU"
U11: "RF Power detector"
X1: library part "XO Generic 2P", "Crystal oscillator"
X2: library part "XO Resonator Generic", "Crystal oscillator"
X3: library part "XO Seiko SG210-STF", "Crystal oscillator"
X4: library part "XO Generic", "Crystal oscillator"

## Via types
v1: diameter 0.5, hole 0.2, Top Layer to Bottom Layer, tented both sides, 809 vias
v2: diameter 0.7, hole 0.3, Top Layer to Bottom Layer, 40 vias
v3: diameter 1.152, hole 1.152, Top Layer to Bottom Layer, 4 vias
v4: diameter 3, hole 3, Top Layer to Bottom Layer, 3 vias

## Nets (pads, with @x,y where several pads share a name; then routed paths per layer and width w, separated by ;. In a path a pad name is that pad's centre, name@x,y a point inside that pad or via, vN(x,y) a via of type N, cw(c..) or ccw(c..) an arc to the next point about the centre after c; other vN are vias at no path point)
ADC0-IN3: P2.13 U10.28 | length 28.3
  Top Layer w0.2: v1(18.31,-9.963) 18.346,-10 18.45,-10 18.45,-10.026 18.5,-10.076 18.5,-10.217 U10.28@19.217,-10.934
  Bottom Layer w0.2: P2.13@6,8.89 6.86,8.89 11.5,4.25 18,-2.25 21,-5.25 21,-7.5 18.5,-10 18.346,-10 v1(18.31,-9.963)
ADC0-IN4: P2.15 R38.1 U10.29 U11.5 | length 94.4
  Top Layer w0.2: v1(18.236,-9.264) 18.236,-9.25 18.028,-9.25 17.722,-9.556 17.722,-10.147 17.76,-10.184 17.76,-10.191 17.972,-10.403 17.975,-10.4 U10.29@18.863,-11.288 19.825,-12.25 26.5,-12.25 29.295,-9.455 29.295,-8.21 29.723,-7.782 v1(29.723,-7.752) ; v1(38.238,4.213) 38.259,4.234 38.734,4.234 39.25,4.75 39.25,7.5 40.5,8.75 52.25,8.75 56.25,12.75 62.75,12.75 63.5,12 65.3,12 66.15,12.85 ; U11.5@66.15,13.8 66.15,12.85 ; R38.1@66.75,12.25 66.15,12.85
  Bottom Layer w0.2: P2.15@6,6.35 8.65,6.35 20.5,-5.5 20.5,-7.25 18.5,-9.25 18.25,-9.25 v1(18.236,-9.264) ; v1(29.723,-7.752) 32.998,-7.752 34.75,-6 34.75,-3.5 37,-1.25 37,3.75 37.458,4.208 38.233,4.208 v1(38.238,4.213)
ADC0-IN5: P2.17 U10.34 | length 31
  Top Layer w0.2: v1(14.2,-10.3) 14.2,-11.3 15.272,-12.372 16.412,-12.372 U10.34@17.095,-13.055
  Bottom Layer w0.2: P2.17@6,3.81 10.44,3.81 11.5,2.75 17,-2.75 20,-5.75 20,-7 18.5,-8.5 16,-8.5 v1(14.2,-10.3)
ADC0-IN6: C81.1 R44.2 U10.35 | length 83.5
  Top Layer w0.2: U10.35@16.742,-13.409 17.583,-14.25 25.25,-14.25 30,-9.5 v1(30,-8.5) ; v1(37.75,2.75) 37.807,2.807 38.057,2.807 39.75,4.5 39.75,7.25 40.75,8.25 52.5,8.25 55.75,11.5 66,11.5 v1(66.75,10.75) ; v1(69.5,20) 70.25,20.75 C81.1@70.25,21.5 R44.2@70.25,22.75
  Bottom Layer w0.2: v1(30,-8.5) 33,-8.5 35.25,-6.25 35.25,-3.75 37.5,-1.5 37.5,2.483 37.75,2.733 v1(37.75,2.75) ; v1(66.75,10.75) 69.25,10.75 71,12.5 71,18.5 v1(69.5,20)
ADC0-IN7: T63.1 U10.36 | length 108.6
  Top Layer w0.2: v1(6.5,-25.75) 8.25,-24 9.25,-24 12.25,-21 12.25,-17.5 14.5,-15.25 14.901,-15.25 U10.36@16.388,-13.763
  Bottom Layer w0.2: v1(6.5,-25.75) 8,-27.25 8,-30 16.5,-38.5 78.75,-38.5 80,-37.25 80,-33.5 79.5,-33 74.95,-33 T63.1@73.66,-34.29
ADC0-IN8: T64.1 U10.37 | length 86.1
  Top Layer w0.2: v1(8.5,-25.75) 9.25,-25 9.75,-25 13.25,-21.5 13.25,-18 14.5,-16.75 15.876,-16.75 U10.37@16.388,-16.237
  Bottom Layer w0.2: v1(8.5,-25.75) 9,-26.25 9,-29.5 17,-37.5 72.99,-37.5 T64.1@73.66,-36.83
ADC0-IN9: T65.1 U10.40 | length 100.1
  Top Layer w0.2: v1(7.5,-25.75) 8.75,-24.5 9.5,-24.5 12.75,-21.25 12.75,-17.75 14.5,-16 15.4,-16 16.4,-15 17.6,-15 18.202,-15.602 18.202,-16.401 ; U10.40@17.449,-17.298 18.202,-16.545 18.202,-16.402
  Bottom Layer w0.2: v1(7.5,-25.75) 8.5,-26.75 8.5,-29.75 16.75,-38 76.75,-38 77.5,-37.25 77.5,-35.59 T65.1@76.2,-34.29
ADC0-IN10: T66.1 U10.41 | length 86.2
  Top Layer w0.2: v1@9.602,-25.852 16.204,-19.25 U10.41@17.802,-17.652
  Bottom Layer w0.2: v1(9.5,-25.75) 9.5,-29.25 17.25,-37 70,-37 71.5,-35.5 74.87,-35.5 T66.1@76.2,-36.83
ADC0-IN11: T67.1 U10.42 | length 100.5
  Top Layer w0.2: U10.42@18.156,-18.005 17.866,-18.295 7.5,-28.661 7.5,-37 9,-38.5 78.75,-38.5 80,-37.25 80,-35.55 T67.1@78.74,-34.29
ADC0-IN12: T68.1 U10.43 | length 94.5
  Top Layer w0.2: U10.43@18.51,-18.359 8,-28.868 8,-36.75 9.25,-38 77.57,-38 T68.1@78.74,-36.83
BTN0: S3.2 U10.69 | length 20.6
  Top Layer w0.2: U10.69@27.702,-27.551 26.6,-28.653 26.6,-33.35 28.25,-35 35.5,-35 37.123,-33.377 38.347,-33.377 ; S3.2@39.347,-33.377 S3.2@39.485,-33.515
  Top Layer w0.8: 38.347,-33.377 S3.2@39.347,-33.377
BTN1: S2.2 U10.70 | length 14.1
  Top Layer w0.2: U10.70@28.055,-27.905 28.055,-27.945 27.1,-28.9 27.1,-33.1 28.5,-34.5 31.5,-34.5 32.635,-33.365 33.335,-33.365 ; S2.2@34.335,-33.365 S2.2@34.485,-33.515
  Top Layer w0.8: 33.335,-33.365 S2.2@34.335,-33.365